# Altium PCB Pleiades_PP.PcbDoc (part 12 of 15) (continued)
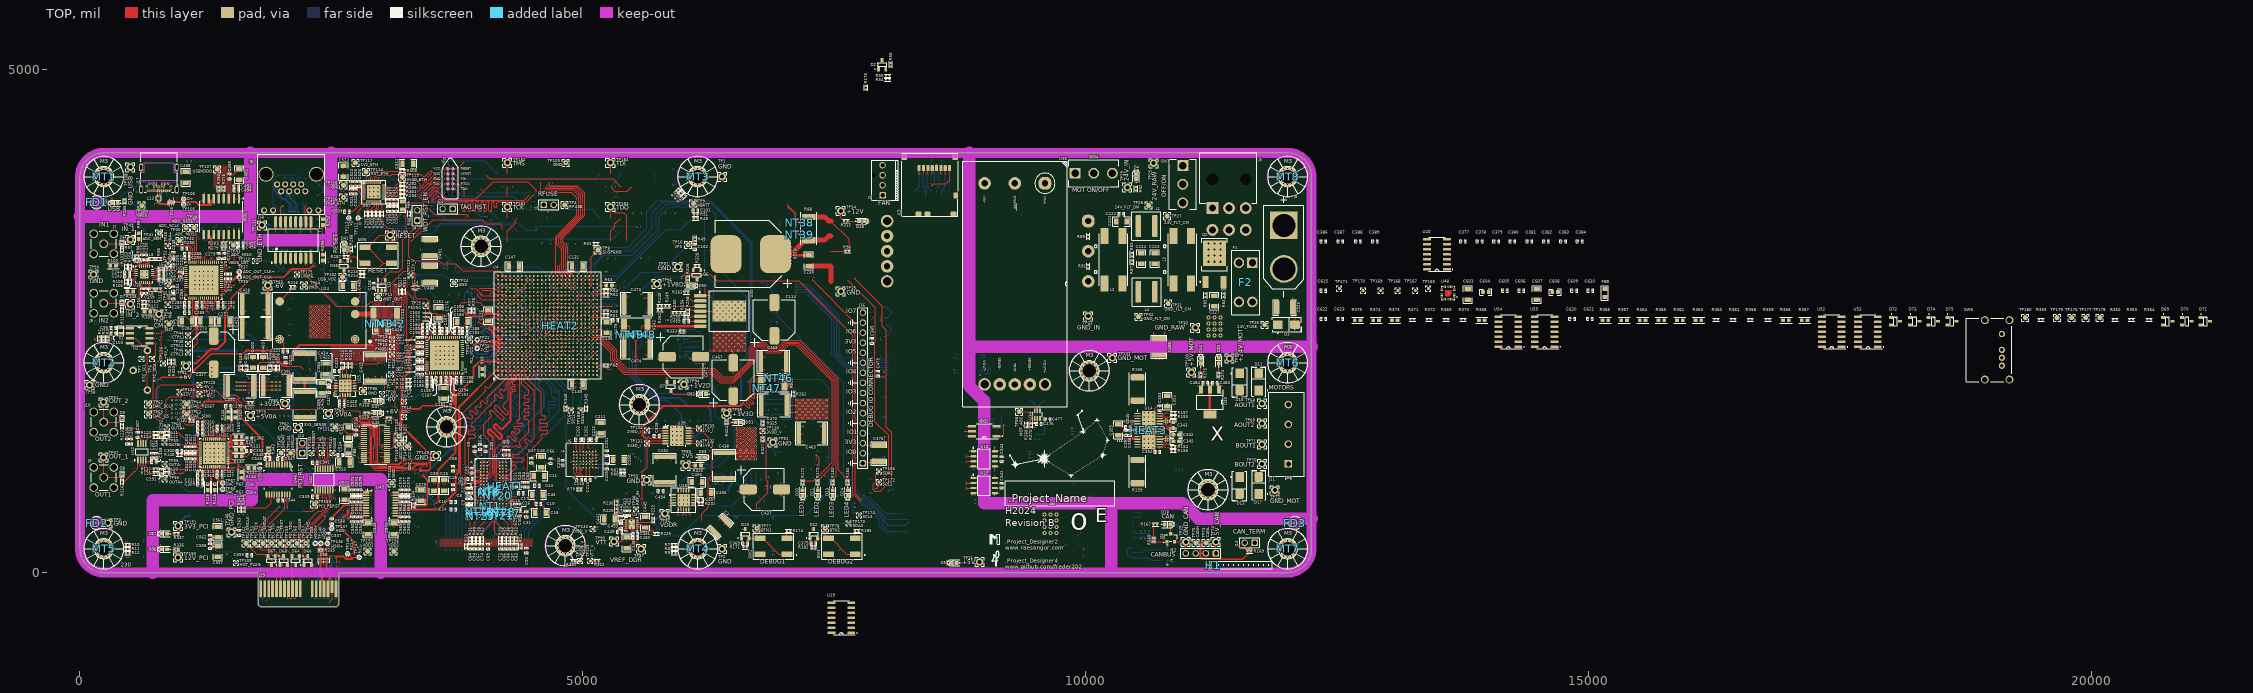
[diagram p0: TOP view]
## Nets (pads, with @x,y where several pads share a name; then routed paths per layer and width w, separated by ;. In a path a pad name is that pad's centre, name@x,y a point inside that pad or via, vN(x,y) a via of type N, cw(c..) or ccw(c..) an arc to the next point about the centre after c; other vN are vias at no path point) (continued)
NetNT22_1: NT22.1 R38.1 | length 391.8
  BOT w7.01: NT22.1@4146.6,721.6 4143.42,718.42 4143.42,708.66 4141.97,707.21 4141.97,506.1 4180,468.07 R38.1@4180,347.5
NetNT23_1: NT23.1 R39.1 | length 490.6
  BOT w7.01: R39.1@3800,347.5 3800,628.07 3904.21,732.28 NT23.1@3966.91,732.28
NetNT25_1: NT25.1 R40.1 | length 227.4
  TOP w7.01: R40.1@3920,347.5 3920,494.8 NT25.1@3976.6,551.4
NetNT26_1: NT26.1 R41.1 | length 445.9
  BOT w7.01: NT26.1@4253.56,732.28 4296.72,732.28 4340,689 R41.1@4340,347.5
NetNT28_1: NT28.1 R43.1 | length 294
  TOP w7.01: NT28.1@4196.63,598.65 4300,495.28 R43.1@4300,347.5
NetNT29_1: NT29.1 R44.1 | length 372.5
  BOT w7.01: R44.1@4000,347.5 4000,386.29 4079.49,465.78 4079.49,656.42 4088.58,665.51 4095,665.51 NT29.1@4095,676.91
NetNT38_1: NT38.1 R88.1 R90.1 U7.8 | length 750
  TOP w5: NT38.1@7160.54,3480 7239.79,3480 7245,3485.21 R88.1@7245,3536
  TOP w10: 7465,3495 7647.5,3312.5 R90.1@7647.5,3195
  TOP w50: R88.1@7245,3536 7403.71,3536 7444.71,3495 7465,3495
NetNT40_1: NT40.1 R186.2 U21.7 | length 252.4
  BOT w5: NT40.1@2063.49,2122.95 2063.49,2202.2 2068.7,2207.41 R186.2@2119.49,2207.41
  BOT w25: R186.2@2119.49,2207.41 2121.89,2209.81 U21.7@2233.49,2209.81
NetNT43_1: NT43.1 R213.2 U24.2 | length 290.4
  TOP w5: R213.2@2919,2565 2969.79,2565 2975,2559.79 NT43.1@2975,2480.54
  TOP w50: U24.2@2735,2570 R213.2@2888,2570
NetNT44_1: NT44.1 R221.2 U26.7 | length 277.6
  BOT w5: NT44.1@6395,850 6395,819.48 6400.21,814.27 R221.2@6451,814.27
  BOT w25: R221.2@6451,814.27 6451,851.27 6475,875.27 U26.7@6475,993.21
NetNT46_1: NT46.1 R241.2 U29.7 | length 709.2
  TOP w5: NT46.1@6950,1925 6950,1885.21 6955.21,1880 R241.2@7006,1880
  TOP w25: R241.2@7006,1855 v5(7065,1855) ; R241.2@7006,1880 v5(7065,1880) ; R241.2@7006,1905 v5(7065,1905)
  BOT w25: v5(7065,1855) 7026.38,1816.38 7026.38,1780.02 7021.36,1775 U29.7@6998.52,1775 ; v5(7065,1880) 7003.54,1818.54 7003.54,1780.02 U29.7@6998.52,1775 ; v5(7065,1905) 6980,1820 6980,1780.02 6985.02,1775 U29.7@6987.4,1775 U29.7@6998.52,1775
NetNT48_1: NT48.1 R242.2 U30.7 | length 664.9
  TOP w5: NT48.1@5586,2370.54 5586,2449.79 5591.21,2455 R242.2@5642,2455
  TOP w25: R242.2@5642,2455 5647,2450 U30.7@6167.4,2450
NetNT50_1: NT50.1 R243.2 U31.7 | length 664.9
  BOT w5: NT50.1@5586,2370.54 5586,2449.79 5591.21,2455 R243.2@5642,2455
  BOT w20: R243.2@5642,2455 5647,2450 U31.7@6167.4,2450
NetNT52_1: NT52.1 R271.2 R273.1 U36.8
NetQ1_1: Q1.1 R86.1
NetQ1_2: Q1.2 Q2.2 R84.1
  other v5: 11359.57,2815.24 11380.43,2815.24
NetR50_2: R50.2 R53.1 | length 40
  BOT w12: R53.1@4485,3692.5 R50.2@4525,3692.5
NetR70_2: R70.2 U5.12 | length 95.7
  TOP w10: v1(3550,2362.5) 3555.63,2356.87 3555.63,2336.65 U5.12@3556.1,2336.18
  BOT w10: v1(3550,2362.5) 3572.5,2385 R70.2@3607.5,2385
NetR71_2: R71.2 Y1.2 | length 105.7
  TOP w10: v1(3007.6,1532.39) 3008.14,1532.39 3010.75,1535 R71.2@3052.5,1535
  BOT w10: v1(3007.6,1532.39) 3042.39,1532.39 Y1.2@3060,1550
NetR73_2: R73.2 R74.2 U5.31 | length 315.7
  TOP w10: R73.2@3282.5,1835 v1(3282.5,1855) R74.2@3282.5,1875 ; v1(3426.32,2032.05) U5.31@3448.82,2032.05
  BOT w10: v1(3282.5,1855) 3304.67,1877.17 3304.67,1938.71 3326.46,1960.5 3354.77,1960.5 v1(3426.32,2032.05)
NetR75_1: R75.1 U5.30 | length 253.7
  TOP w10: R75.1@3282.5,1915 v1(3282.5,1937.5) ; v1(3426.32,2051.73) U5.30@3448.82,2051.73
  BOT w10: v1(3282.5,1937.5) 3282.83,1937.83 3282.83,1967.83 3310.5,1995.5 3349.55,1995.5 3405.4,2051.35 3425.94,2051.35 v1(3426.32,2051.73)
NetR76_2: R76.2 U5.3 | length 523.2
  TOP w10: U5.3@3733.27,2336.18 v1(3733.27,2358.68) ; v1(3916,2565) R76.2@3916,2587.5
  BOT w10: v1(3733.27,2358.68) 3733.65,2358.3 3733.65,2331.35 3762,2303 3877.04,2303 3937,2362.96 3937,2544 v1(3916,2565)
NetR77_2: R77.2 U5.2 | length 399.3
  TOP w10: U5.2@3752.95,2336.18 v1(3752.95,2358.68) ; v1(3875,2565) R77.2@3875,2587.5
  BOT w10: v1(3752.95,2358.68) 3766.13,2345.5 3852.04,2345.5 3900,2393.46 3900,2540 v1(3875,2565)
NetR78_1: R78.1 U5.43 | length 251.8
  TOP w5: U5.43@3674.21,1983.82 3674.21,1951.56 3667,1944.35 3667,1877.29 3685,1859.29 R78.1@3685,1742.5
NetR83_2: R83.2 R87.1
NetR84_2: R84.2 R85.2 SW1.1
NetR89_2: R89.2 R91.1 U7.2
NetR90_2: R90.2 U7.6 | length 147.5
  TOP w10: 7465,3195 R90.2@7612.5,3195
NetR97_1: R97.1 R98.1 U10.23 | length 110.9
  TOP w8: R98.1@582.5,3145 R97.1@582.5,3105 582.5,3085.37 610.47,3057.39 U10.23@610.47,3045.71
NetR97_2: R97.2 R98.2 R99.2 U10.24 | length 304.2
  TOP w6: R99.2@585,3316.46 585,3182.5 R98.2@547.5,3145 R97.2@547.5,3105 547.5,3100.68 590.79,3057.39 U10.24@590.79,3045.71
NetR100_2: R100.2 R103.1 R104.1 U10.1 | length 225.3
  TOP w6: R100.2@358.54,3050 369.54,3061 456.5,3061 R103.1@460,3057.5 R104.1@500,3057.5 ; R104.1@500.82,3061 547.61,3014.21 U10.1@559.29,3014.21
NetR103_2: R103.2 R104.2 U10.2 | length 110.9
  TOP w6: R103.2@460,3022.5 R104.2@500,3022.5 518.85,3003.65 540.48,3003.65 549.61,2994.53 U10.2@559.29,2994.53
NetR105_1: R105.1 R106.1 U10.5 | length 110.9
  TOP w6: R105.1@460,2907.5 R106.1@500,2907.5 519.63,2907.5 547.61,2935.47 U10.5@559.29,2935.47
NetR105_2: R105.2 R106.2 R108.2 U10.6 | length 199.5
  TOP w6: R108.2@471.46,2795 471.46,2859.96 460,2871.42 R105.2@460,2872.5 R106.2@500,2872.5 504.32,2872.5 547.61,2915.79 U10.6@559.29,2915.79
NetR109_2: R109.2 R111.1 R112.1 U10.7 | length 311.3
  TOP w6: U10.7@590.79,2884.29 590.79,2721.71 R112.1@622.5,2690
  TOP w10: R112.1@622.5,2690 R111.1@622.5,2650 622.5,2614 641.46,2595.04 R109.2@641.46,2594
NetR111_2: R111.2 R112.2 U10.8 | length 259.1
  TOP w6: U10.8@610.47,2884.29 610.47,2871.97 604,2865.5 604,2743.5 R112.2@657.5,2690 R111.2@657.5,2650
NetR114_1: R114.1 R116.1 U12.1 | length 337.3
  TOP w6: R116.1@421.06,882.5 576.61,1038.05 U12.1@576.61,1118.31
  BOT w6: R114.1@540,1045 540,1023.52 v1(551.02,1012.5)
NetR114_2: R114.2 R115.2 U12.2 | length 252.5
  TOP w6: v1(600,1070) 685,985 R115.2@737.5,985 ; v1@602.2,1073.83 U12.2@602.2,1118.31
  BOT w6: R114.2@575,1045 v1(600,1070)
NetR117_2: R117.2 R120.1 U12.3 | length 205.3
  TOP w6: U12.3@627.8,1118.31 v1(627.8,1070) 627.8,1068.49 671.29,1025 R117.2@737.5,1025
  BOT w6: R120.1@615,1047.5 627.8,1060.3 v1(627.8,1070)
NetR121_1: R121.1 R123.1 U12.7 | length 348.6
  TOP w5.95: R123.1@420,1436.29 569.38,1436.29 612.5,1393.17 v1(612.5,1347.5)
  TOP w10: U12.7@602.2,1281.69 602.2,1336.66 612.5,1346.96 v1(612.5,1347.5)
  BOT w10: v1(612.5,1347.5) R121.1@612.5,1370
NetR121_2: R121.2 R122.2 U12.6 | length 204.1
  TOP w10: U12.6@627.8,1281.69 627.8,1327.8 v1(647.5,1347.5) 690,1390 R122.2@737.5,1390
  BOT w10: v1(647.5,1347.5) R121.2@647.5,1370
NetR124_2: R124.2 R127.1 U12.5 | length 151
  TOP w10: U12.5@653.39,1281.69 653.39,1308.82 689.57,1345 v1@689.78,1345 ; v1(690,1345) v1@689.78,1345 ; R124.2@737.5,1350 694.78,1350 v1@689.78,1345
  BOT w10: v1(690,1345) R127.1@690,1367.5
NetR145_1: R145.1 U11.43 | length 201.4
  TOP w5: R145.1@1007.5,1170 1025.5,1188 1165.95,1188 1173.79,1180.16 U11.43@1198.19,1180.16
NetR156_1: R156.1 U14.1
NetR159_1: R159.1 U14.14 | length 0.3
  TOP w12: R159.1@10514.76,1120.24 R159.1@10515,1120
NetR170_1: R170.1 U18.12 | length 85
  BOT w12: U18.12@10468.06,550 10542.5,550 R170.1@10550,557.5
NetR174_1: R174.1 SW2.3 | length 76.4
  TOP w10: R174.1@7027.5,415 7027.5,339.11 SW2.3@7027.87,338.74
NetR185_1: R185.1 SW3.3 | length 76.4
  TOP w10: R185.1@7707.5,415 7707.5,339.11 SW3.3@7707.87,338.74
NetR187_1: R187.1 U21.3 | length 214
  BOT w10: R187.1@2423.49,1999.91 2423.49,2117.95 2433.49,2127.95 U21.3@2433.49,2209.81
NetR188_2: R188.2 R191.2 | length 80.1
  BOT w12: R188.2@2300.99,1952.41 2343.49,1994.91 R191.2@2343.49,2014.91
NetR189_1: R189.1 U22.13 | length 62.6
  TOP w10: v1(1600,1987.5) R189.1@1600,2010
  BOT w10: U22.13@1595,1949.49 1595,1981.96 1600,1986.96 v1(1600,1987.5)
NetR190_1: R190.1 U23.13 | length 516.6
  TOP w6: v1(1755,1972) 1772.44,1989.44 1772.44,2070.44 1792,2090 1906.41,2090 1914,2082.41 1914,2033.5 R190.1@1930,2017.5
  TOP w10: v1(1930,1995) R190.1@1930,2017.5
  BOT w10: v1(1755,1972) 1755,1941.93 1840.7,1856.23 U23.13@1853.49,1856.23
NetR191_1: R191.1 R196.1 U21.5 | length 164
  BOT w12: U21.5@2333.49,2209.81 2333.49,2098.91 R196.1@2340.99,2091.41 2342.24,2090.16 2342.24,2051.16 R191.1@2343.49,2049.91
NetR192_1: R192.1 U22.12 | length 245.1
  BOT w10: R192.1@1367.5,2035.59 1496.1,2035.59 1569.41,1962.28 U22.12@1569.41,1949.49
NetR193_1: R193.1 U23.12 | length 251.9
  BOT w10: R193.1@1790,1612.5 1790,1779.94 1840.7,1830.64 U23.12@1853.49,1830.64
NetR194_1: R194.1 U22.11 | length 202.9
  BOT w10: R194.1@1367.5,1995.59 1510.51,1995.59 1543.82,1962.28 U22.11@1543.82,1949.49
NetR195_1: R195.1 U23.11 | length 211.3
  BOT w10: R195.1@1830,1612.66 1830,1797.3 1835.86,1803.16 1851.6,1803.16 U23.11@1853.49,1805.05
NetR198_1: R198.1 U21.2 | length 218.2
  BOT w10: R198.1@2463.49,1999.91 2463.49,2145.06 2483.49,2165.06 U21.2@2483.49,2209.81
NetR199_1: R199.1 U22.10 | length 153.2
  BOT w10: R199.1@1367.5,1955 1436.77,1955 1483.7,1908.07 1498.62,1908.07 U22.10@1500.51,1906.18
NetR200_1: R200.1 U23.10 | length 160.3
  BOT w10: R200.1@1870,1612.5 1870,1672.63 1896.8,1699.43 U23.10@1896.8,1761.74
NetR201_1: R201.1 U22.9 | length 147.3
  BOT w10: R201.1@1367.5,1915 1423.87,1915 1458.28,1880.59 U22.9@1500.51,1880.59
NetR202_1: R202.1 U23.9 | length 154.2
  BOT w10: R202.1@1910,1613.04 1910,1672.32 1915.86,1678.18 1916.53,1678.18 1922.39,1684.04 U23.9@1922.39,1761.74
NetR203_1: R203.1 U22.8 | length 141.3
  BOT w10: R203.1@1367.5,1875 1413.87,1875 1433.87,1855 U22.8@1500.51,1855
NetR204_1: R204.1 U23.8 | length 150.1
  BOT w10: U23.8@1947.98,1761.74 1948.99,1760.73 1948.99,1613.51 R204.1@1950,1612.5
NetR205_1: R205.1 U22.6 | length 145.9
  BOT w10: R205.1@1367.5,1835 1416.4,1835 1447.58,1803.82 U22.6@1500.51,1803.82
NetR206_1: R206.1 U23.6 | length 153
  BOT w10: R206.1@1990,1612.5 1990,1697.18 1999.16,1706.34 U23.6@1999.16,1761.74
NetR207_1: R207.1 U22.2 U22.17 U22.18 U22.19 | length 364.7
  TOP w10: v1(1620.59,1727.86) 1620.97,1727.48 1620.97,1723.67 1640.83,1703.81 1693.65,1703.81 R207.1@1712.5,1684.96 1733.75,1706.21 v1(1733.75,1735.51)
  BOT w10: v1(1620.59,1727.86) U22.2@1620.59,1750.36 ; U22.17@1689.49,1880.59 U22.19@1689.49,1829.41 1702.28,1829.41 1733.54,1798.15 1733.54,1735.71 v1(1733.75,1735.51)
NetR208_1: R208.1 U23.2 U23.17 U23.18 U23.19 | length 466.9
  TOP w10: v1(1970,1987.5) R208.1@1970,2010 ; R208.1@1970,2017.5 2058.97,2017.5 2115,1961.47 v1(2115,1857.42)
  BOT w10: U23.17@1922.39,1950.72 U23.18@1947.98,1950.72 U23.19@1973.57,1950.72 1971.68,1952.61 1971.68,1985.28 1970,1986.96 v1(1970,1987.5) ; U23.2@2042.47,1881.82 2090.67,1881.82 2115,1857.49 v1(2115,1857.42)
NetR209_1: R209.1 U22.5 | length 196.1
  BOT w10: R209.1@1367.5,1795 1403.4,1795 1426.65,1771.75 1541.93,1771.75 1543.82,1769.86 U22.5@1543.82,1760.51
NetR210_1: R210.1 U23.5 | length 246.2
  BOT w10: R210.1@2030,1612.5 2034.38,1616.88 2044.06,1616.88 2087.5,1660.32 2087.5,1716.57 2053.71,1750.36 2053.71,1803.16 2051.82,1805.05 U23.5@2042.47,1805.05
NetR211_1: R211.1 U22.4 | length 255.6
  BOT w10: R211.1@1367.5,1755.59 1409.47,1713.61 1551.37,1713.61 1569.41,1731.65 U22.4@1569.41,1760.51
NetR212_1: R212.1 U23.4 | length 277.2
  BOT w10: U23.4@2042.47,1830.64 2055.26,1830.64 2118.49,1767.41 2118.49,1660.99 R212.1@2070,1612.5
NetR214_1: R214.1 U24.3 | length 276.7
  TOP w10: U24.3@2735,2695 2787.5,2747.5 R214.1@2787.5,2950
NetR216_1: R216.1 U24.4 | length 191.6
  TOP w10: U24.4@1985,2695 2097.5,2807.5 R216.1@2097.5,2840
NetR217_1: R217.1 U25.13 | length 96.2
  TOP w10: U25.13@2636.52,1951.91 2636.52,1964.7 2650,1978.19 R217.1@2650,2042.5
NetR223_1: R223.1 U26.3 | length 114.9
  BOT w10: R223.1@6675,878.31 U26.3@6675,993.21
NetR224_2: R224.2 R226.1 U26.5 | length 548.9
  BOT w10: R224.2@6332.44,665.14 6487.64,665.14 R226.1@6582.5,760 6610.5,788 6610.5,881.69 6608,884.19 6608,917.49 6575,950.49 U26.5@6575,993.21
NetR225_2: R225.2 U27.7 | length 217
  TOP w10: U27.7@5540.24,461.08 5546.77,461.08 5553.73,454.12 5554.23,454.12 5575.12,433.23 5575.12,414.56 5603.91,385.77 R225.2@5715.12,385.77
NetR228_1: R228.1 U26.2 | length 114.9
  BOT w10: R228.1@6725,878.31 U26.2@6725,993.21
NetR231_1: R231.1 U28.13 | length 74
  TOP w10: U28.13@6095.67,720.65 6108.46,720.65 6122.95,706.17 6132.51,706.17 R231.1@6154.5,684.18
NetR232_1: R232.1 U28.12 | length 53.1
  TOP w10: U28.12@6095.67,695.06 6097.56,693.17 6120.93,693.17 6126.96,687.14 v1(6127.5,687.14)
  BOT w10: v1(6127.5,687.14) R232.1@6127.5,705.14
NetR233_1: R233.1 U28.11 | length 70
  TOP w10: U28.11@6095.67,669.47 6108.46,669.47 6127.12,650.82 6127.12,643.02 v1(6127.5,642.64)
  BOT w10: v1(6127.5,642.64) R233.1@6127.5,665.14
NetR234_1: R234.1 U28.10 | length 85.8
  TOP w10: U28.10@6052.36,626.16 6052.36,587.78 v1(6070,570.14)
  BOT w10: v1(6070,570.14) R234.1@6070,592.64
NetR235_1: R235.1 U28.9 | length 79.9
  TOP w10: U28.9@6026.77,626.16 6026.77,573.91 6030,570.68 v1(6030,570.14)
  BOT w10: v1(6030,570.14) R235.1@6030,592.64
NetR236_1: R236.1 U28.8 | length 83.2
  TOP w10: v1(5990,570.14) 5990,570.68 6001.18,581.86 U28.8@6001.18,626.16
  BOT w10: v1(5990,570.14) R236.1@5990,592.64
NetR237_1: R237.1 U28.6 | length 78.5
  TOP w10: v1(5950,570.14) U28.6@5950,626.16
  BOT w10: v1(5950,570.14) R237.1@5950,592.64
NetR238_1: R238.1 U28.2 U28.17 U28.18 U28.19 | length 270.5
  TOP w10: v1(5868.19,746.24) U28.2@5890.69,746.24 ; U28.19@5975.59,815.14 U28.18@6001.18,815.14 U28.17@6026.77,815.14 ; U28.19@5975.59,825.81 v1(5975.59,848.31)
  BOT w10: v1(5868.19,746.24) 5868.58,746.62 5873.91,746.62 v1(5975.59,848.31) 5976.13,848.31 5976.8,847.64 R238.1@6000,847.64
NetR239_1: R239.1 U28.5 | length 80.6
  TOP w10: v1(5852.5,660.14) 5853.04,660.14 5862.37,669.47 U28.5@5906.69,669.47
  BOT w10: v1(5852.5,660.14) R239.1@5875,660.14
NetR240_1: R240.1 U28.4 | length 78.8
  TOP w10: v1(5852.5,700.14) 5853.04,700.14 5858.12,695.06 U28.4@5906.69,695.06
  BOT w10: v1(5852.5,700.14) R240.1@5875,700.14
NetR244_2: R244.2 R247.2 R260.1 | length 149.8
  BOT w10: R260.1@6782.5,1575 R247.2@6782.5,1535 6783.1,1534.4 6783.1,1517.9 6808.5,1492.5 R244.2@6865,1492.5
NetR245_2: R245.2 R249.2 R262.1 | length 80
  TOP w10: R262.1@5782.5,2610 R245.2@5782.5,2650 R249.2@5822.5,2650
NetR246_2: R246.2 R251.2 R264.1 | length 78.5
  BOT w10: R246.2@5965,2202.5 5966.25,2203.75 5966.25,2278.75 R264.1@5967.5,2280
NetR247_1: R247.1 U29.3 | length 186.5
  BOT w10: R247.1@6817.5,1535 6845,1535 6885,1575 U29.3@6987.4,1575
NetR248_2: R248.2 R254.2 | length 189.2
  BOT w10: R248.2@6620,1632.5 6672.5,1685 R254.2@6787.5,1685
NetR249_1: R249.1 U30.3 | length 309.9
  TOP w10: R249.1@5857.5,2650 U30.3@6167.4,2650
NetR250_2: R250.2 R256.2 | length 40
  TOP w10: R250.2@5932.5,2580 R256.2@5972.5,2580
NetR251_1: R251.1 U31.3 | length 169
  BOT w10: R251.1@6002.5,2240 6006.88,2244.38 6161.78,2244.38 U31.3@6167.4,2250
NetR252_1: R252.1 R253.1 R259.1 U31.5 | length 217.3
  BOT w10: R252.1@6002.5,2360 R253.1@6002.5,2320 6003.75,2321.25 6043.75,2321.25 R259.1@6045,2322.5 6072.5,2350 U31.5@6167.4,2350
NetR254_1: R254.1 R257.1 U29.5 | length 207.6
  BOT w10: R257.1@6820,1647.5 6821.25,1648.75 6821.25,1683.75 R254.1@6822.5,1685 6826.88,1680.62 6981.78,1680.62 U29.5@6987.4,1675
NetR255_1: R255.1 R258.1 U30.5 | length 162
  TOP w10: R258.1@6045,2577.5 6046.25,2576.25 6046.25,2541.25 R255.1@6047.5,2540 ; R255.1@6048.04,2540 6074.04,2540 6084.04,2550 U30.5@6167.4,2550
NetR255_2: R255.2 R256.1 | length 42.1
  TOP w10: R256.1@6007.5,2580 6007.5,2545.54 6012.5,2540.54 R255.2@6012.5,2540
NetR261_1: R261.1 U29.2 | length 322.5
  TOP w10: v1(7095,1735) R261.1@7095,1757.5
  BOT w10: U29.2@6987.4,1525 7065,1525 7085,1545 7085,1725 v1(7095,1735)
NetR263_1: R263.1 U30.2 | length 182.9
  TOP w10: R263.1@6047.5,2785 6047.5,2737.5 6085,2700 U30.2@6167.4,2700
NetR265_1: R265.1 U31.2 | length 163.4
  BOT w10: R265.1@6005,2202.5 6006.25,2201.25 6166.15,2201.25 U31.2@6167.4,2200
NetR266_2: R266.2 U32.14 U33.1 | length 117
  BOT w10: U32.14@8946.3,2037.5 9035,2037.5 R266.2@9055,2017.5
NetR272_2: R272.2 R276.1 SW4.3 U36.2
NetR273_2: R273.2 U36.6
NetR287_1: R287.1 R288.1 SW5.3 | length 267
  TOP w10: R288.1@2695,3197.5 2695,3172.5 R287.1@2662.5,3140 2741.81,3140 2805.55,3076.26 SW5.3@2832.13,3076.26
NetR293_2: R293.2 R296.1 | length 297.9
  TOP w7.01: R296.1@2415,3158.54 R293.2@2415,3456.46
NetR294_1: R294.1 U37.18 | length 175.1
  TOP w10: U37.18@3017.91,3735.63 3125.63,3735.63 3137,3747 3185.5,3747 R294.1@3187.5,3745
NetR295_1: R295.1 U37.20 | length 190.3
  TOP w10: U37.20@3017.91,3775 3100,3775 3150,3825 R295.1@3187.5,3825
NetR297_1: R297.1 U37.16 | length 112
  TOP w10: U37.16@2990.35,3688.39 2990.35,3660.04 2990.35,3659.63 3005,3644.99 R297.1@3005,3582.5
NetR298_1: R298.1 U37.15 | length 108.2
  TOP w10: R298.1@2965,3582.5 2965,3620.63 2970.67,3626.3 2970.67,3660.04 U37.15@2970.67,3688.39
NetR299_1: R299.1 U37.14 | length 116.6
  TOP w10: R299.1@2925,3582.5 2926.41,3583.91 2926.41,3598.78 2950.98,3623.35 2950.98,3660.04 U37.14@2950.98,3688.39
NetR300_1: R300.1 U37.13 | length 125.1
  TOP w10: R300.1@2885,3582.5 2886.08,3583.58 2886.08,3601.08 2931.3,3646.3 U37.13@2931.3,3688.39
NetR301_1: R301.1 U37.19 | length 181.9
  TOP w10: U37.19@3017.91,3755.31 3115.31,3755.31 3145,3785 R301.1@3187.5,3785
NetR306_1: R306.1 U37.10 | length 349.4
  TOP w10: v1(2872.24,3660.04) U37.10@2872.24,3688.39
  IN2 w8: v1(2870,3950) 2870,3930.7 2860.74,3921.45 2860.74,3671.54 v1(2872.24,3660.04)
  BOT w10: v1(2870,3950) R306.1@2870,3972.5
NetR306_2: R306.2 R307.1 | length 40
  BOT w10: R306.2@2870,4007.5 R307.1@2910,4007.5
NetR309_2: R309.2 R311.1 | length 40
  BOT w10: R311.1@2560,1302.5 R309.2@2600,1302.5
NetR310_1: R310.1 U38.1 U38.4 | length 214.8
  BOT w10: U38.1@2885.46,1236.98 2928.11,1236.98 2980.97,1289.84 2980.97,1304.49 U38.4@2987.46,1310.98 2979.46,1310.98 2963.54,1326.9 R310.1@2963.54,1370
NetR314_1: R314.1 U40.11 | length 246.8
  TOP w10: v1(2770,1245) 2770.54,1245 2779.34,1253.8 2797.28,1253.8 U40.11@2797.78,1254.3
  BOT w10: R314.1@2560,1232.5 2660.2,1232.5 2672.7,1245 v1(2770,1245)
NetR338_1: R338.1 U45.16 | length 177.8
  BOT w4.33: U45.16@3137.64,667.2 3303.22,667.2 3310.42,660 R338.1@3312.5,660
NetR339_2: R339.2 U45.15 | length 177.8
  BOT w4.33: U45.15@3137.64,692.8 3217.77,692.8 3224.97,700 R339.2@3312.5,700
NetR340_2: R340.2 R343.1 U46.8 | length 145.6
  TOP w6: R343.1@1880,1207.5 1881.25,1206.25 1881.25,1171.25 R340.2@1882.5,1170 1906.02,1146.48 U46.8@1906.02,1072.64
NetR341_2: R341.2 R344.1 U46.13 | length 425.3
  TOP w12: R341.2@1585,642.5 R344.1@1625,642.5 1853.73,642.5 1904.02,692.8 1904.02,775.36 U46.13@1906.02,777.36
NetR355_1: R355.1 SW6.2
NetR356_1: R356.1 U52.3
NetR357_1: R357.1 U53.3
NetR358_1: R358.1 U52.2
NetR359_1: R359.1 U53.2
NetR360_1: R360.1 U52.1
NetR361_1: R361.1 U53.1
NetR362_1: R362.1 U52.6
NetR363_1: R363.1 U53.6
NetR364_1: R364.1 U52.8
NetR365_1: R365.1 U53.8
NetR366_1: R366.1 U52.11
NetR367_1: R367.1 U53.11
NetR368_1: R368.1 U54.3
NetR369_1: R369.1 U54.2
NetR370_1: R370.1 U55.2
NetR371_1: R371.1 U54.1
NetR372_1: R372.1 U55.1
NetR373_1: R373.1 U54.6
NetR374_1: R374.1 U54.8
NetR375_1: R375.1 U54.11
NetTP98_1: TP98.1 U33.4 U34.6 | length 239.4
  TOP w10: TP98.1@9340,1600 v1(9465,1600) 9491.66,1600 9494.41,1602.75 U34.6@9494.41,1607.8
  BOT w10: v1(9465,1600) 9465.38,1599.62 9465.38,1580.86 9471.24,1575 U33.4@9522.5,1575
NetU32_11: U32.11 U33.8
NetU32_12: U32.12 U33.5
NetU32_13: U32.13 U33.7
NO_C0_17: D44.1 J18.4 J18.5 R302.1 | length 191.3
  BOT w10: D44.1@2078.79,3925 2080.04,3923.75 2118.75,3923.75 R302.1@2120,3922.5 J18.5@2120,3860 2111.82,3851.82 2111.82,3821.82 J18.4@2080,3790
NO_C1_17: D45.1 J18.7 J18.8 R303.1 | length 207.9
  BOT w10: D45.1@2201.21,3925 2199.96,3923.75 2161.25,3923.75 R303.1@2160,3922.5 2160,3900 J18.7@2200,3860 2231.82,3828.18 2231.82,3798.18 J18.8@2240,3790
ODT: NT12.2 U1.K1 U4.H7 | length 2926
  TOP w8.89: v1(3968.5,826.77) U1.K1@3984.25,811.02 ; U4.H7@4433.07,2200.79 4433.07,2203.18 4444.53,2214.63 4444.53,2217.69 v1(4445.12,2218.29)
  IN1 w5.75: v1(3968.5,826.77) 3680,1115.28 3680,1744.55 3680,1748.62 ccw(c3652.04,1748.62) 3671.85,1768.36 3666.97,1773.23 cw(c3678.55,1784.81) 3666.97,1796.39 cw(c3678.55,1784.81) 3690.13,1796.39 3723.54,1762.98 ccw(c3735.12,1774.56) 3746.7,1762.98 ccw(c3735.12,1774.56) 3746.7,1786.15 3713.3,1819.55 cw(c3724.88,1831.13) 3713.3,1842.71 cw(c3724.88,1831.13) 3736.46,1842.71 3769.86,1809.31 ccw(c3781.44,1820.89) 3793.02,1809.31 ccw(c3781.44,1820.89) 3793.02,1832.47 3759.62,1865.87 cw(c3771.2,1877.46) 3759.62,1889.04 cw(c3771.2,1877.46) 3782.78,1889.04 3816.19,1855.63 ccw(c3827.77,1867.21) 3839.35,1855.63 ccw(c3827.77,1867.21) 3839.35,1878.79 3805.94,1912.2 cw(c3817.52,1923.78) 3805.94,1935.36 cw(c3817.52,1923.78) 3829.1,1935.36 3862.51,1901.95 ccw(c3874.09,1913.53) 3885.67,1901.95 ccw(c3874.09,1913.53) 3885.67,1925.11 3852.26,1958.52 cw(c3863.84,1970.1) 3852.26,1981.68 cw(c3863.84,1970.1) 3875.42,1981.68 3908.83,1948.27 ccw(c3920.41,1959.85) 3931.99,1948.27 ccw(c3920.41,1959.85) 3931.99,1971.43 3898.58,2004.84 cw(c3910.16,2016.42) 3898.58,2028 cw(c3910.16,2016.42) 3921.74,2028 3955.15,1994.59 ccw(c3966.73,2006.17) 3978.31,1994.59 ccw(c3966.73,2006.17) 3978.31,2017.75 3957.39,2038.68 cw(c3968.97,2050.26) 3957.39,2061.84 cw(c3968.97,2050.26) 3980.55,2061.84 3996.35,2046.04 ccw(c4007.93,2057.62) 4019.51,2046.04 ccw(c4007.93,2057.62) 4019.51,2069.2 cw(c4031.09,2080.78) 4019.51,2092.36 4072.94,2145.79 4132.15,2205 4429.41,2205 4442.69,2218.29 v1(4445.12,2218.29)
  BOT w8.89: NT12.2@3952.91,826.77 v1(3968.5,826.77)
OE/RESET: R65.2 U4.AE4 U6.A3 | length 2899.4
  TOP w5.95: v1(4880,1100) 4881.64,1100 4888.13,1106.5 U6.A3@4909.02,1106.5 ; U4.AE4@5102.36,2082.68 5120.75,2082.68 5143.43,2060 R65.2@5212.5,2060 5252.5,2020 v1(5270,2020)
  IN2 w3.68: v1(4880,1100) 4882.73,1102.73 5027.27,1102.73 5036.53,1093.47 5036.53,1088.03 5049.56,1075 5104.78,1075 5140.05,1110.27 5212.21,1110.27 5241.33,1139.39 5270,1168.06 5270,1169.25 cw(c5279.34,1169.25) 5279.34,1178.58 5299.8,1178.58 ccw(c5299.8,1187.92) 5299.8,1197.26 5269.18,1197.26 cw(c5269.18,1206.6) 5269.18,1215.94 5312.55,1215.94 ccw(c5312.55,1225.28) 5312.55,1234.62 5279.34,1234.62 cw(c5279.34,1243.95) 5279.34,1253.29 5283.98,1253.29 ccw(c5283.98,1262.63) 5283.98,1271.97 5276.59,1271.97 cw(c5276.59,1281.31) 5276.59,1290.65 5283.98,1290.65 ccw(c5283.98,1299.99) 5283.98,1309.32 5278.17,1309.32 cw(c5278.17,1318.66) 5278.17,1328 5285.9,1328 ccw(c5285.9,1337.34) 5285.9,1346.68 5279.34,1346.68 cw(c5279.34,1356.02) 5279.34,1365.35 5286.45,1365.35 ccw(c5286.45,1374.69) 5286.45,1384.03 5279.34,1384.03 cw(c5279.34,1393.37) 5279.34,1402.71 5283.98,1402.71 ccw(c5283.98,1412.05) 5283.98,1421.39 5279.34,1421.39 cw(c5279.34,1430.72) 5279.34,1440.06 5283.98,1440.06 ccw(c5283.98,1449.4) 5283.98,1458.74 5274.37,1458.74 cw(c5274.37,1468.08) 5274.37,1477.42 5283.98,1477.42 ccw(c5283.98,1486.76) 5283.98,1496.09 5279.24,1496.09 cw(c5279.24,1505.43) 5279.24,1514.77 5294.03,1514.77 ccw(c5294.03,1524.11) 5294.03,1533.45 5279.34,1533.45 cw(c5279.34,1542.79) 5279.34,1552.12 5300.83,1552.12 ccw(c5300.83,1561.46) 5300.83,1570.8 5279.34,1570.8 cw(c5279.34,1580.14) 5279.34,1589.48 5312.55,1589.48 ccw(c5312.55,1598.82) 5312.55,1608.16 5279.3,1608.16 cw(c5279.3,1617.49) 5279.3,1626.83 5312.55,1626.83 ccw(c5312.55,1636.17) 5312.55,1645.51 5273.62,1645.51 cw(c5273.62,1654.85) 5273.62,1664.19 5312.55,1664.19 ccw(c5312.55,1673.53) 5312.55,1682.86 5279.34,1682.86 cw(c5279.34,1692.2) 5279.34,1701.54 5312.55,1701.54 ccw(c5312.55,1710.88) 5312.55,1720.22 5279.34,1720.22 cw(c5279.34,1729.56) 5279.34,1738.89 5312.55,1738.89 ccw(c5312.55,1748.23) 5312.55,1757.57 5279.34,1757.57 cw(c5279.34,1766.91) 5279.34,1776.25 5312.55,1776.25 ccw(c5312.55,1785.59) 5312.55,1794.93 5278.61,1794.93 cw(c5278.61,1804.26) 5278.61,1813.6 5312.55,1813.6 ccw(c5312.55,1822.94) 5312.55,1832.28 5276.27,1832.28 cw(c5276.27,1841.62) 5276.27,1850.96 5312.55,1850.96 ccw(c5312.55,1860.3) 5312.55,1869.63 5279.34,1869.63 cw(c5279.34,1878.97) 5279.34,1888.31 5312.55,1888.31 ccw(c5312.55,1897.65) 5312.55,1906.99 5269.18,1906.99 cw(c5269.18,1916.33) 5269.18,1925.66 5279.86,1925.66 ccw(c5279.86,1935) 5279.86,1944.34 5279.34,1944.34 cw(c5279.34,1953.68) 5270,1953.68 5270,2005 v1(5270,2020)
OSC_125MHZ_5_N: TP13.1 U5.46 Y1.5 | length 908.8
  TOP w4.33: v1(3225.35,1550) 3225.18,1550.18 3225.18,1620.3 3227.71,1622.84 3376.31,1622.84 3409.46,1655.98 3695.31,1655.98 3727.73,1688.41 3727.73,1877.69 3716.06,1889.36 3716.06,1907.77 3728.49,1920.19 3728.49,1952.94 3728.09,1953.34 3728.09,1967.7 3733.27,1972.88 U5.46@3733.27,1983.82
OSC_125MHZ_5_P: TP12.1 U5.45 Y1.4 | length 948.5
  TOP w4.33: v1(3225,1705) 3225,1634.87 3227.71,1632.16 3372.45,1632.16 3405.6,1665.31 3691.45,1665.31 3718.41,1692.27 3718.41,1873.83 3706.74,1885.5 3706.74,1911.63 3719.16,1924.06 3719.16,1949.07 3718.76,1949.48 3718.76,1967.7 3713.58,1972.88 U5.45@3713.58,1983.82
  BOT w4.33: v1(3225,1705) 3225,1650.35 Y1.4@3225.35,1650
OUT0: U4.AB13 U20.2
OUT1: U4.AA13 U20.5
OUT2: U4.Y13 U20.9
OUT3: U4.W13 U20.12